# Altium PCB Thermostat_Thorlabs.PCBDOC (part 2 of 2) (continued)
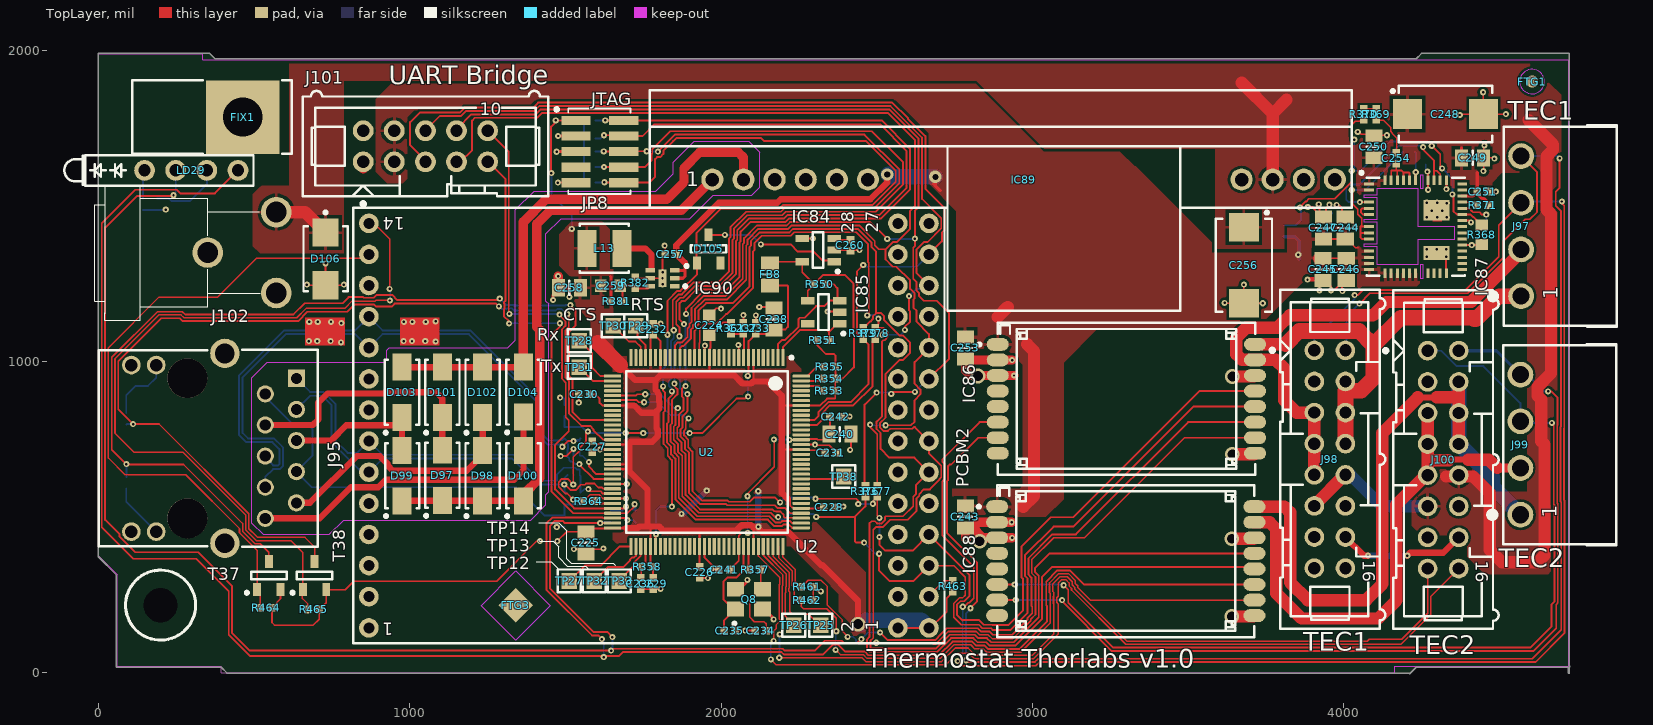
[diagram p0: TopLayer view]
## Nets (pads, with @x,y where several pads share a name; then routed paths per layer and width w, separated by ;. In a path a pad name is that pad's centre, name@x,y a point inside that pad or via, vN(x,y) a via of type N, cw(c..) or ccw(c..) an arc to the next point about the centre after c; other vN are vias at no path point) (continued)
  TopLayer w39.37: J102.3@570.87,1479.92 663.38,1479.92 D106.1@729.13,1414.17 ; 3673,1896 3772.68,1796.32 ; IC89.8@3772.68,1584.65 3772.68,1796.32 ; 3817.36,1841 3772.68,1796.32 ; J98.11@3906.7,538.06 J98.10@4006.7,638.06 ; 4329.49,630.33 4417.41,630.33 4470,577.74 4470,395 4510,355 4624,355 4646.31,377.31 4646.31,732.81 4635.47,743.65 4635.47,877.7 4623.47,889.7 4623.47,918.3 4667.31,962.14 4667.31,1473.64 4652.47,1488.49 4652.47,1658.86 4673.69,1680.07 4673.69,1697.31 4594.94,1776.06
  BottomLayer w39.37: J98.10@4006.51,635.78 4022.22,635.78 4123.4,534.6 J100.11@4270.69,534.6
PHY_RD_N: D67.3 J95.3 PCBM2.J2-10 R349.2 U2.53 | length 2086.4
  TopLayer w6: v1(1490,726) 1508,744 v1(1526,744) ; v1(1575.17,677) 1575.17,662.83 1599.79,638.21 U2.53@1651.53,638.21
  BottomLayer w6: J95.3@535.43,595.87 535.43,628.99 560.6,654.16 582.14,654.16 592.71,664.73 592.71,723.47 589.19,726.99 563.22,752.97 480.01,752.97 462.83,770.14 462.83,949.06 601.87,1088.09 824.19,1088.09 PCBM2.J2-10@868.19,1044.09 912.19,1088.09 1189.88,1088.09 1407.48,870.49 1407.48,768.26 1442.19,733.55 1486.04,733.55 1490,729.59 v1(1490,726) ; v1(1526,744) 1539.29,744 R349.2@1545.9,750.61 ; R349.2@1548.25,752.97 R349.2@1545.9,750.61 ; v1(1575.17,677) 1554.91,697.26 D67.3@1545.9,697.26 R349.2@1545.9,750.61
PHY_RD_P: D67.1 J95.5 PCBM2.J2-11 R348.2 U2.54 | length 2044.9
  TopLayer w6: v1(1544.68,670.26) 1544.68,668.32 1590.54,622.46 U2.54@1651.53,622.46
  BottomLayer w6: J95.5@535.43,695.87 535.43,691.32 560.6,666.16 577.17,666.16 580.71,669.7 580.71,718.5 558.24,740.97 475.03,740.97 450.83,765.17 450.83,954.03 596.89,1100.09 824.19,1100.09 PCBM2.J2-11@868.19,1144.09 912.19,1100.09 1194.85,1100.09 1419.48,875.46 1419.48,773.23 1446.85,745.87 1480.22,745.87 1482.2,747.84 1491.56,747.84 R348.2@1496.69,752.97 1506.53,743.13 1506.53,738.29 1507.43,737.39 1507.43,733.8 1507.84,733.39 1507.84,718.61 1506.53,717.3 D67.1@1506.53,697.26 1506.53,694.53 1512.31,688.75 1512.31,682.73 1517,678.04 1523.02,678.04 1531.77,669.29 1532.74,670.26 v1(1544.68,670.26)
PHY_TD_N: D67.6 J95.8 PCBM2.J2-6 R346.1 U2.56 | length 1352.1
  TopLayer w6: v1(1496.28,604.6) 1499.99,604.6 1517.84,586.75 1532.62,586.75 1549.79,603.92 1562.69,603.92 1566.61,607.84 1593.27,607.84 1606.31,594.8 1617.93,594.8 1621.77,590.96 U2.56@1651.53,590.96
  BottomLayer w6: J95.8@635.43,845.87 679.43,889.87 718.12,889.87 748.82,859.17 748.82,740.66 845.39,644.09 PCBM2.J2-6@868.19,644.09 912.19,688.09 1328.73,688.09 1412.23,604.6 v1(1496.28,604.6) v1@1496.69,605 ; R346.1@1496.69,577.97 1502.97,577.97 1496.69,584.25 v1@1496.69,605 ; D67.6@1506.53,635.06 1496.69,625.21 v1@1496.69,605
PHY_TD_P: D67.4 J95.10 PCBM2.J2-7 R347.1 U2.57 | length 1370.1
  TopLayer w6: v1(1574,590) 1574,585.46 1576.66,582.8 1612.96,582.8 1620.54,575.21 U2.57@1651.53,575.21
  BottomLayer w6: J95.10@635.43,945.87 679.43,901.87 723.09,901.87 760.82,864.14 760.82,745.63 800,706.45 830.55,706.45 PCBM2.J2-7@868.19,744.09 912.19,700.09 1333.7,700.09 1417.2,616.6 1472.44,616.6 1472.44,635.44 1495.29,658.29 1531.42,658.29 1537.29,652.42 1544.93,652.42 1545.9,651.45 D67.4@1545.9,635.06 1548.25,632.7 R347.1@1548.25,577.97 1560.28,590 v1(1574,590)
POE_IN1: D97.2 D101.1 J95.7 | length 819.6
  TopLayer w20: J95.7@535.43,795.87 688.6,795.87 706,813.27 706,868 735,897 917.51,897 921.58,901.07 1084.83,901.07 1104.52,881.38 D97.2@1104.52,714.71
POE_IN2: D98.2 D102.1 J95.2 | length 824.1
  TopLayer w20: J95.2@635.43,545.87 678.87,545.87 828.87,695.87 903.13,695.87 930.08,668.92 930.08,664.19 945.28,649 1182.72,649 1234,700.28 D98.2@1234,713.71 D102.1@1234,820.29
POE_IN3: D99.2 D103.1 J95.6 | length 477.1
  TopLayer w20: J95.6@635.43,745.87 746.72,745.87 795.85,795 949.24,795 D103.1@974.6,820.36 974.6,714.71 D99.2@975.6,713.71
POE_IN4: D100.2 D104.1 J95.1 | length 1064.6
  TopLayer w20: J95.1@535.43,495.87 710.87,495.87 810.87,595.87 898.87,595.87 923,620 1335,620 1365,650 D104.1@1365,821.16
RST: D105.1 JP8.10 R365.2 U2.70 | length 2971
  TopLayer w6: v1(1625,1576) 1626.43,1574.57 JP8.10@1687.42,1574.57 1769.57,1574.57 1788.34,1593.34 1788.34,1650.35 1794.71,1656.72 1804.39,1656.72 1814.84,1667.18 1814.84,1676.85 1846.05,1708.06 1846.63,1708.06 1856.6,1718.03 2128.77,1718.03 2138.73,1708.06 2466.39,1708.06 2561.69,1612.76 2561.69,1577.35 2487.55,1503.21 2199.4,1503.21 2188.19,1492 2000.28,1492 1921.6,1413.32 D105.1@1921.6,1316.72 ; U2.70@1789.32,405.92 1789.32,443.32 v1(1791,445) ; v1(1814,920) 1814,906 1820.48,899.52 1820.48,842.25 1815.16,836.93 1815.16,735.27 1828.69,721.73 1828.69,696.89 1842.27,683.32 v1(1842.27,533.39) ; v1(1828,1085.72) 1828,1195.03 1859.77,1226.8 1869.49,1226.8 1922.93,1280.24 D105.1@1922.93,1316.72
  BottomLayer w6: R365.2@1596.28,1574.57 1623.57,1574.57 v1(1625,1576) ; v1(1791,445) 1791,520.69 1803.71,533.39 v1(1842.27,533.39) ; v1(1814,920) 1814,976.39 1828,990.39 v1(1828,1085.72)
RTS: TP29.1 U2.29 | length 116
  TopLayer w6: TP29.1@1726,1115 1731.79,1109.21 1731.79,1077.79 1757.83,1051.75 U2.29@1757.83,1012.22
RXD: TP28.1 U2.33 | length 180.7
  TopLayer w6: TP28.1@1545,1066.95 1586,1025.95 1586,979.83 1612.66,953.17 U2.33@1651.53,953.17
SCL: J100.16 U2.91 | length 3079.2
  TopLayer w5: U2.91@2120.03,405.92 2120.03,374.97 2188.16,306.84 2188.16,283.31 2187,282.14 2187,172.72 2188.16,171.55 2188.16,164.08 2177,152.91 2177,141 2169,133 v1(2169,102) ; v1(2160.01,42.5) 2176.86,25.66 2722.66,25.66 2760,63 2796,63 2813.66,45.34 3004.63,45.34 3083.66,124.37 3083.66,221.03 3078.48,226.21 3078.48,240.57 3083.66,245.75 3083.66,288.18 3093.82,298.34 3108.18,298.34 3118.34,288.18 3118.34,278.51 3126.16,270.68 3126.16,265.55 3300.72,91 4185.14,91 4280.69,186.55 4280.69,244.6 J100.16@4370.69,334.6
  BottomLayer w5: v1(2160.01,42.5) 2160.01,93.01 v1(2169,102)
SCL1: IC85.1 R351.1 U2.1 | length 279.1
  TopLayer w6: U2.1@2198.77,1012.22 2198.77,1046.27 2253.56,1101.06 2303.66,1101.06 2303.79,1101.18 2339.82,1101.18 2347.38,1093.62 ; R351.1@2347.38,1069 2347.38,1093.62 ; IC85.1@2381.06,1120.87 2372.87,1120.87 2347.38,1095.38 2347.38,1093.62
SDA: J100.15 U2.92 | length 2988.4
  TopLayer w5: U2.92@2135.78,405.92 2135.78,377.22 2199,314 2199,280 2197,278 2197,176.86 2199,174.86 2199,137 2188,126 v1(2188,123) ; v1@2187,46 v1(2187,48) 2452.66,48 2465.01,35.66 2708.8,35.66 2752.48,79.34 2793.8,79.34 2817.8,55.34 3000.48,55.34 3068.5,123.36 3068.5,222.05 ; 3068.48,222.07 3068.48,244.72 ; 3068.5,244.74 3068.5,258.88 3065.57,261.81 3065.57,284.24 3089.67,308.34 3112.33,308.34 3128.34,292.33 3128.34,282.65 3136.16,274.83 3136.16,269.69 3304.86,101 4076.36,101 4082.86,107.5 4187.5,107.5 4270.69,190.69 J100.15@4270.69,334.6
  BottomLayer w5: v1(2187,48) 2188,49 v1(2188,123)
SDA1: IC85.3 R350.1 U2.2 | length 399.7
  TopLayer w6: U2.2@2183.03,1012.22 2183.03,1056.03 2196.07,1069.07 2206.02,1069.07 2249.04,1112.09 2249.04,1135.99 2253.73,1140.68 2268.48,1140.68 2305.76,1177.95 2331.61,1177.95 2349.33,1195.67 IC85.3@2381.06,1195.67 2374,1202.73 2374,1235.61 2361.61,1248 R350.1@2335.99,1248
SENS0_1: IC86.6 J97.3 J98.1 | length 5416.7
  TopLayer w6: v1@2763.16,33.84 2774.84,22.16 3011.85,22.16 3023.53,33.84 4617.27,33.84 4711,127.58 4711,552.24 4709,554.24 4709,785.42 4709.84,786.26 4709.84,1501.16 4702,1509 v1(4702,1514) ; v1@2780,210.62 2794.22,224.84 2797.84,224.84 2812,239 2812,341 2711,442 2711,613.44 2713,615.44 2713,617.49 2718.69,623.18 2718.69,669.45 2711,677.14 2711,685 2831,805 IC86.6@2889.29,805 ; v1(4036.09,1213.14) 4046.14,1213.14 4063.1,1230.1 4393.1,1230.1 4499,1336 4499,1438 J97.3@4571,1510
  BottomLayer w5: v1@2759,38 2776.93,55.93 v1(2776.93,211.84)
  BottomLayer w6: v1(2760,37) v1@2760,38 ; J98.1@3906.51,1035.78 3906.51,1072.59 4036.09,1202.16 v1(4036.09,1213.14) ; J97.3@4571,1510 4575,1514 v1(4702,1514)
SENS0_2: IC86.7 J97.4 J98.2 | length 5615.8
  TopLayer w6: v1(2787,40) 2785,40 2790.16,34.84 3008.98,34.84 3018.98,44.84 4607.05,44.84 4700,137.79 4700,547.69 4698,549.69 4698,789.98 4698.84,790.82 4698.84,1484.1 4682.16,1500.78 4682.16,1546.16 4695,1559 v1(4695,1652.56) ; v1(2801.61,207) v1@2801.61,210 ; v1@2804,210 2823,229 2823,353 2726,450 2726,614.93 2729.69,618.62 2729.69,663.85 2734.79,668.95 2740.02,668.95 2826.07,755 IC86.7@2889.29,755 ; v1(4051.55,1186) 4051.89,1186 4084.99,1219.1 4399.07,1219.1 4514,1334.03 4514,1386 4585,1457 4599,1457 4622.34,1480.34 4622.34,1608.66 J97.4@4571,1660
  BottomLayer w6: v1(2787,40) 2787.43,40.43 2787.43,190.43 v1@2801,204 ; v1@2801.61,204 v1(2801.61,207) ; J98.2@4006.7,1006.45 4010,1009.75 4010,1144.45 v1(4051.55,1186) ; J97.4@4571,1660 4687.55,1660 v1(4695,1652.56)
SENS1_1: IC88.6 J99.3 J100.1 | length 3108.6
  TopLayer w6: IC88.6@2887.38,283.39 v1(2944,283.39) ; v1(3101,281) 3115.66,266.34 3115.66,224.76 3259.93,80.5 4600.28,80.5 4668.82,149.03 4668.82,219.43 4678,228.61 4678,538.57 4676,540.57 4676,796.77 v1(4670,802.77)
  BottomLayer w6: v1(2944,283.39) 3098.61,283.39 v1(3101,281) ; J100.1@4270.69,1034.6 4314.83,1034.6 4364.08,985.35 4449.65,985.35 4569,866 J99.3@4569,807.7 4573.93,802.77 v1(4670,802.77)
SENS1_2: IC88.7 J99.4 J100.2 | length 3031
  TopLayer w6: IC88.7@2887.38,233.39 v1(2947,233.39) ; v1(3095.82,233.39) 3095.82,229.05 3255.37,69.5 4610.5,69.5 4683.82,142.82 4683.82,218.87 4689,224.05 4689,543.13 4687,545.13 4687,794.53 4687.84,795.38 4687.84,884.63 4668.47,904 v1(4658,904)
  BottomLayer w6: v1(2947,233.39) v1(3095.82,233.39) ; J99.4@4569,957.7 4580.25,968.95 4645.2,904 v1(4658,904)
  BottomLayer w10: J100.2@4370.69,1034.6 4492.09,1034.6 J99.4@4569,957.7
STAT1: IC86.11 LD29.2 R374.1 U2.63 | length 6482.5
  TopLayer w6: v1(240.56,1534) 238.09,1531.54 122.54,1531.54 21,1430 21,491 67.2,444.8 67.2,437.44 117.64,387 320,387 429,278 429,127 485,71 v1(1647,71) 1652.84,76.84 2198.95,76.84 2204.79,71 2301.77,71 2333.27,102.5 2387.5,102.5 2394,96 ; v1(1651,114.43) 1634.43,131 1590,131 1450,271 1450,471.23 1466.32,487.56 1491.16,487.56 1497.99,480.72 1534.33,480.72 1534.71,481.1 1611.62,481.1 v1(1612,480.72) U2.63@1651.53,480.72 ; 2394.39,96.39 2395.29,95.5 2438.5,95.5 v1(2451,108) ; v1(2511,129) 2535.4,104.6 2687.75,104.6 2707.69,124.53 2707.69,124.69 ; 2706,123 2707.69,124.69 ; IC86.11@3716.07,805 3501,805 3140.38,444.38 3065.05,444.38 2987.5,366.82 2987.5,315.65 2997.5,305.65 2997.5,214.98 3000,212.48 3000,190.92 2984.96,175.89 2984.96,171.54 2935.27,121.84 2873.35,121.84 2863.35,131.84 2835.49,131.84 2824.49,142.84 2725.84,142.84 2707.69,124.69
  BottomLayer w6: v1(240.56,1534) 247.64,1541.08 LD29.2@247.64,1614.17 ; v1(1612,480.72) 1615.85,484.58 R374.1@1646,484.58 ; v1(1647,71) 1651,75 v1(1651,114.43) ; v1(2451,108) 2472,129 v1(2511,129)
STAT2: IC88.11 LD29.4 R375.1 U2.62 | length 6544.1
  TopLayer w6: LD29.4@447.64,1614.17 373.46,1540 262.11,1540 250.27,1551.84 117.84,1551.84 10,1444 10,467 111,366 313,366 418,261 418,122.44 487.44,53 1672.01,53 1684.85,65.84 2194.39,65.84 2201.73,58.5 2328.27,58.5 2360.61,90.84 2375.39,90.84 2397.73,68.5 2461.15,68.5 2473.5,56.16 2700.31,56.16 2743.99,99.84 2806.67,99.84 2819.67,86.84 2847.54,86.84 2858.54,75.84 2958.84,75.84 3048,165 3048,213.55 3045.07,216.48 3045.07,292.73 3081.18,328.84 3120.82,328.84 3148.84,300.82 3148.84,300.16 3165.61,283.39 IC88.11@3714.15,283.39 ; v1(1617,107.87) 1618.87,106 1619.84,106 1605.84,120 1585.44,120 1439,266.44 1439,479.56 1458.01,498.57 1619.39,498.57 1621.86,496.1 1651.16,496.1 U2.62@1651.53,496.47 1692.53,496.47 v1(1699,490)
  BottomLayer w6: v1(1617,107.87) 1623,101.87 v1(1623,50) ; v1(1699,490) 1717.5,490 R375.1@1725,482.5
STAT3: J101.10 R374.2 U2.60 | length 1689.8
  TopLayer w6: J101.10@1250.12,1741.54 1317.84,1673.82 1317.84,1155.16 v1(1320,1153) ; v1(1481,1150.84) 1481,1149.23 1499.84,1130.39 1499.84,1114.21 1489,1103.37 1489,944.28 1501.06,932.23 1501.06,820.83 1510.84,811.04 1510.84,776.49 1466.83,732.48 1466.83,588.94 1527.8,527.97 U2.60@1651.53,527.97 1689.81,527.97 v1(1694.84,533)
  BottomLayer w6: v1(1320,1153) 1478.84,1153 v1(1481,1150.84) ; R374.2@1646,521.59 1683.42,521.59 v1(1694.84,533)
STAT4: J101.9 R375.2 U2.61 | length 1603.2
  TopLayer w6: J101.9@1250.12,1641.54 1251.97,1641.54 1306.84,1586.67 1306.84,1194.61 1302.16,1189.92 1302.16,1187.08 1303.84,1185.39 1303.84,1169.61 1302.16,1167.92 1302.16,1145.61 1319,1128.77 v1(1319,1122) ; v1(1482,1123) 1482,1111.93 1455.83,1085.76 1455.83,581.62 1525.23,512.22 U2.61@1651.53,512.22 1699.29,512.22 1722.32,535.25 v1(1722.32,541)
  BottomLayer w6: v1(1319,1122) 1320,1123 v1(1482,1123) ; v1(1722.32,541) 1725,538.32 R375.2@1725,519.5
SW0: R355.2 U2.128 | length 85
  TopLayer w6: U2.128@2257.83,953.17 2277.34,953.17 2307.17,983 R355.2@2330.5,983
SW1: R354.2 U2.127 | length 75.3
  TopLayer w6: U2.127@2257.83,937.42 2322,937.42 R354.2@2329.88,945.29
SW2: R353.2 U2.126 | length 78.6
  TopLayer w6: U2.126@2257.83,921.67 2314.13,921.67 R353.2@2329.88,905.92
TCK: JP8.4 R360.2 U2.100 | length 3184.5
  TopLayer w6: v1(1624,1727) 1684.99,1727 JP8.4@1687.42,1724.57 1748.57,1724.57 1786,1762 2511,1762 2595.84,1677.16 2595.84,1556.94 2509.11,1470.21 2213.07,1470.21 2201.86,1459 2089.45,1459 2052.16,1421.72 2052.16,1390.5 2048,1386.34 2048,1280.22 1999.62,1231.84 1921.2,1231.84 1883.16,1193.8 1873.44,1193.8 1867,1187.36 1867,1134 v1(1881,1120) ; v1(1892,895.29) 1892,840.6 1889.84,838.44 1889.84,836.84 1875.84,822.84 1875.84,787.63 1870.16,781.95 1870.16,758.05 1883.69,744.52 1883.69,719.67 1897.27,706.1 1897.27,576.73 1931.68,542.32 2015.44,542.32 2019.77,538 2172.77,538 2182.08,528.69 2205.79,528.69 2222.26,512.22 U2.100@2257.83,512.22
  BottomLayer w6: R360.2@1596.28,1716.69 1613.69,1716.69 v1(1624,1727) ; v1(1881,1120) 1885.84,1115.16 1885.84,1075 1868.16,1057.31 1868.16,913.61 1886.47,895.29 v1(1892,895.29)
TDI: JP8.8 R363.2 U2.98 | length 3230.9
  TopLayer w6: v1(1624,1625) 1686.99,1625 JP8.8@1687.42,1624.57 1755.57,1624.57 1777,1646 1777,1666.32 1778.84,1668.16 1778.84,1681.64 1837.23,1740.03 2484.53,1740.03 2584.84,1639.71 2584.84,1569.4 2496.66,1481.21 2208.51,1481.21 2197.3,1470 2084.89,1470 2041.16,1426.27 2041.16,1395.05 2037,1390.89 2037,1284.77 1995.07,1242.84 1916.64,1242.84 1878.6,1204.8 1868.89,1204.8 1856,1191.92 1856,1119.77 1866,1109.77 v1(1866,1081) ; v1(1850,929) 1850,921.23 1859.84,911.39 1859.84,894.11 1842.48,876.75 1842.48,800.94 1837.16,795.62 1837.16,744.38 1850.69,730.85 1850.69,706 1864.27,692.43 1864.27,561.93 1923.36,502.84 2155.46,502.84 2176.3,482 2191.08,482 2196.08,487 2222.01,487 2228.29,480.72 U2.98@2257.83,480.72
  BottomLayer w6: R363.2@1596.28,1624.57 1623.57,1624.57 v1(1624,1625) ; v1(1850,929) 1850,1061 1866,1077 v1(1866,1081)
TDO: JP8.6 R362.2 U2.97 | length 3173.3
  TopLayer w6: v1(1623,1675) 1623.43,1674.57 JP8.6@1687.42,1674.57 1688.41,1675.55 v1(1761,1675.55) ; v1(1797,1674.57) 1851.46,1729.03 2460.97,1729.03 2572.69,1617.31 2572.69,1572.8 2492.1,1492.21 2203.96,1492.21 2192.75,1481 2080.33,1481 2030.16,1430.83 2030.16,1399.61 2026,1395.45 2026,1289.33 1990.51,1253.84 1912.08,1253.84 1874.05,1215.8 1864.33,1215.8 1845,1196.47 1845,1103.63 v1(1848.16,1100.48) ; v1(1842,904) 1843.84,902.16 1843.84,893.67 1831.48,881.3 1831.48,805.49 1826.16,800.17 1826.16,739.83 1839.69,726.29 1839.69,701.45 1853.27,687.87 1853.27,557.38 1918.8,491.84 2150.9,491.84 2171.74,471 2195.64,471 2200.64,476 2217.46,476 2228.48,464.98 U2.97@2257.83,464.98
  BottomLayer w6: R362.2@1596.28,1674.57 1596.71,1675 v1(1623,1675) ; v1(1761,1675.55) 1761.98,1674.57 v1(1797,1674.57) ; v1(1842,904) 1843.16,905.16 1843.16,910.61 1832.16,921.61 1832.16,936.39 1839,943.23 1839,1065.56 1848.16,1074.71 v1(1848.16,1100.48)
TEC0+: IC86.16 J97.1 J98.4 J98.6 J98.8 | length 1337.3
  TopLayer w40: IC86.16@3716.07,1055 3814.67,1055
  TopLayer w50: 3814.67,1055 3857.56,1097.89 4050.11,1097.89 4096,1052 ; J98.8@4006.7,743.65 4006.7,906.45 4057.45,906.45 4096,945 4096,1052 ; J97.1@4571,1210 4500.28,1210 4425.28,1135 4420.9,1135 4414.8,1141.1 4185.1,1141.1 4096,1052
TEC0-: IC86.15 J97.2 J98.5 J98.7 J98.9 | length 1678.6
  TopLayer w40: J98.9@3906.51,635.78 J98.7@3906.51,735.78 J98.5@3906.51,835.78 3849.22,835.78 3810,875 3810,977 3782,1005 IC86.15@3716.07,1005 3674.22,1005 3655.63,1023.59 3655.63,1075.63 3688.5,1108.5 3788.69,1108.5 3828.08,1147.89 4094.9,1147.89 4138.11,1191.1 4410.67,1191.1 4571,1351.43 J97.2@4571,1360
TEC1+: IC88.16 J99.1 J100.4 J100.6 J100.8 | length 2234.3
  TopLayer w20: 4239.42,884.6 4300.59,884.6
  TopLayer w40: IC88.16@3714.15,533.39 3810.5,533.39 3829,514.89 3829,290 3886,233 4072.98,233 4125,285.02 4125,770.18 4239.42,884.6 ; 4300.59,884.6 4370.69,884.6 ; J100.6@4370.69,834.6 4370.69,884.6 ; 4370.69,897.04 J100.4@4370.69,934.6 ; J100.8@4370.87,734.6 4370.87,884.6 ; J100.4@4370.87,905.27 4370.87,884.6 ; 4370.69,884.6 4370.87,884.6
  BottomLayer w50: J100.4@4370.69,934.6 J100.6@4370.69,834.6 J100.8@4370.69,734.6 4480.56,624.73 4480.56,596.14 J99.1@4569,507.7
TEC1-: IC88.15 J99.2 J100.5 J100.7 J100.9 | length 1680.8
  TopLayer w20: 4340.79,684.6 4400.59,684.6
  TopLayer w30: J100.9@4270.87,640.69 J100.9@4270.87,647.53 ; 4493.87,657.7 J99.2@4569,657.7
  TopLayer w40: IC88.15@3714.15,483.39 3763.11,483.39 3784,462.5 3784,255.83 3865.83,174 4112,174 4170,232 4170,539.82 J100.9@4270.87,640.69 ; J100.5@4270.69,834.6 4270.87,834.42 4270.87,682.58 ; J100.9@4270.87,647.53 4270.87,682.58 ; 4338.77,682.58 4270.87,682.58 ; 4400.59,684.6 4466.96,684.6 4493.87,657.7
TMS: JP8.2 R359.2 U2.99 | length 3183.3
  TopLayer w6: v1(1627.78,1774.57) JP8.2@1687.42,1774.57 2516.43,1774.57 2606.84,1684.16 2606.84,1552.38 2513.67,1459.21 2217.63,1459.21 2206.42,1448 2094,1448 2063.16,1417.16 2063.16,1385.94 2059,1381.78 2059,1271 2008.84,1220.84 1938.59,1220.84 1887.72,1169.97 v1(1887.72,1153) ; v1(1886,921) 1883.48,921 1874.16,911.68 1874.16,887.9 1878.84,883.22 1878.84,842.61 1864.84,828.61 1864.84,792.19 1859.16,786.5 1859.16,753.5 1872.69,739.96 1872.69,715.12 1886.27,701.54 1886.27,571.05 1932.47,524.84 2164.57,524.84 2170.57,518.84 2176.37,518.84 2177.53,517.69 2191.08,517.69 2201.53,507.23 2201.53,501 2204.53,498 2256.3,498 U2.99@2257.83,496.47
  BottomLayer w6: R359.2@1596.28,1774.57 v1(1627.78,1774.57) ; v1(1886,921) 1885.84,921.16 1885.84,1059.44 1898.84,1072.44 1898.84,1141.87 v1(1887.72,1153)
TXD: TP31.1 U2.34 | length 125.9
  TopLayer w6: TP31.1@1544,981.71 1588.29,937.42 U2.34@1651.53,937.42
VC+: D97.1 D98.1 D99.1 D100.1 IC89.1 | length 1928.2
  TopLayer w20: D99.1@975.6,552.29 D98.1@1234,552.29 1364.69,552.29 D100.1@1365,551.98
  TopLayer w30: D100.1@1365,551.98 1365,572.59 1417.32,624.91 1417.32,1101.83 1408.16,1111 1408.16,1442.16 1450.92,1484.92 1872.48,1484.92 IC89.1@1972.2,1584.65
VC-: D101.2 D102.2 D103.2 D104.2 IC89.2 | length 1760.5
  TopLayer w20: D103.2@974.6,981.78 D101.2@1104.52,981.78 1364.2,981.78 D104.2@1365,982.58
  TopLayer w30: D104.2@1365,982.58 1365,1448.49 1437.72,1521.21 1826.08,1521.21 1880.86,1575.99 1880.86,1621.2 1931.66,1672 2055.59,1672 2072.2,1655.39 IC89.2@2072.2,1584.65
pads on no net: D105.2 FIX1.1 FTG1.FTG2 FTG2.1 FTG3.1 FTG4.1 IC85.5 IC86.4 IC86.5 IC86.8 IC87.23 IC87.24 IC87.25 IC87.27 IC87.28 IC87.29 IC87.30 IC87.32 IC87.33 IC87.34 IC87.40 IC87.41 IC88.4 IC88.5 IC88.8 IC89.3 IC89.4 IC89.5 IC89.6 IC89.9 IC90.1 J95.MH1 J95.MH2 J98.15 J98.16 J102.2 JP8.7 PCBM2.J1-6 PCBM2.J1-8 PCBM2.J1-9 PCBM2.J1-12 PCBM2.J1-14 PCBM2.J1-15 PCBM2.J1-18 PCBM2.J1-20 PCBM2.J1-21 PCBM2.J1-24 PCBM2.J1-26 PCBM2.J1-27 PCBM2.J2-1 PCBM2.J2-2 PCBM2.J2-3 PCBM2.J2-4 PCBM2.J2-5 PCBM2.J2-8 U2.3 U2.4 U2.5 U2.6 U2.11 U2.12 U2.13 U2.14 U2.15 U2.20 U2.21 U2.24 U2.25 U2.27 U2.31 U2.32 U2.35 U2.36 U2.40 U2.41 U2.43 U2.44 U2.45 U2.49 U2.50 U2.71 U2.72 U2.73 U2.74 U2.75 U2.76 U2.77 U2.78 U2.81 U2.82 U2.83 U2.84 U2.85 U2.86 U2.102 U2.103 U2.104 U2.105 U2.106 U2.108 U2.109 U2.110 U2.111 U2.112 U2.116 U2.117 U2.120 U2.121 U2.123 U2.124 U2.125

## Polygon pours and split planes (outlines as drawn)
P5V0 on TopLayer "BottomLayer-No Net" (solid, remove dead copper, pour order 20): 2667.34,1572 2667.34,1570.61 2668.39,1570.61 2755.91,1483.09 2755.91,1068.51 2784.1,1040.32 2918.9,1040.32 2970,989.22 2970,600.04 2960.51,590.55 2743.16,590.55 2743.16,500.73 3043.83,500.73 3101,557.9 3101,995.84 3209.57,1104.41 3719.06,1104.41 3886.73,1272.09 4028.09,1272.09 4029,1273 4035,1267 4035,1249 4053,1231 4226,1231 4246,1251 4246,1302.43 4232.27,1316.16 4120.84,1316.16 4114,1323 4114,1359 4107,1366 4055,1366 4046,1375 4046,1408 4019.94,1434.06 3819,1429.72 3819,1350 3576.44,1350 3576.76,1383.24 3333.04,1626.96 3329.04,1626.96 3282,1674 3037,1674 2818,1893 941,1893 891,1843 891,1610 928,1573 977,1573 991,1587 991,1785 1014,1808 1370,1808 1401,1839 2562,1839 2667,1734 2667,1572
P12V0 on TopLayer "Signal Layer 1-No Net 1" (solid, remove dead copper, pour order 8): 494.77,1371.04 518.77,1347.04 788,1347.04 788,1902 2820.42,1902 3039.38,1683.04 3588,1683.04 3588,1542.04 3588,1361 3809.91,1361.91 3810.36,1441.64 3889.64,1441.64 3889.86,1521.14 3923.77,1555.04 3923.77,1608.04 3944.77,1629.04 4015.37,1629.04 4040.68,1603.73 4040.68,1546.14 4053.77,1533.04 4104.63,1533.04 4121.63,1550.04 4138.77,1550.04 4144.77,1556.04 4144.77,1624 4154.67,1633.9 4229.11,1633.9 4246.82,1651.62 4246.82,1683.04 4281.77,1683.04 4331.77,1633.04 4331.77,1572.83 4334.83,1572.83 4351.43,1556.22 4477.77,1556.23 4477.77,1575.04 4508.77,1606.04 4588.77,1606.04 4588.77,1608.04 4590.77,1606.04 4590.77,581.04 4487.77,581.04 4399.48,669.34 4320.69,669.33 4219.77,568.42 4219.77,472.04 4249.77,442.04 4364.77,442.04 4368.77,446.04 4388.77,426.04 4397.77,426.04 4397.77,373.04 4453.77,317.04 4657.77,317.04 4699.77,359.04 4699.77,1857.04 4600.77,1956.04 613.04,1956.04 613,1565.04 524.77,1565.04 518.77,1561.84 494.77,1537.84
P3V3 on TopLayer "Signal Layer 1-No Net 1" (solid, remove dead copper, pour order 4): 1645,1016 2219,1016 2257.83,977.17 2257.83,530.17 2472.2,315.8 2472.2,130.2 2460,118 2405,118 2379,144 2379,251.29 2224.36,405.92 1672.08,405.92 1651.53,426.47 1651.53,1005.34 1649,1007.87
P3V3 on TopLayer "Signal Layer 1-No Net 1" (solid, remove dead copper, pour order 12): 1653.54,1039.99 1653.54,1413.42 1618.47,1448.49 1519.49,1448.49 1479.61,1408.61 1479.61,1308.17 1515.75,1272.03 1515.75,1194.38 1581.81,1128.32 1581.81,1043.31
GND on BottomLayer "Signal Layer 1-No Net 1" (solid, remove dead copper, pour order 14): 0,1988.19 4724.41,1988.19 4724.41,0 19.68,0 0,19.69

## Keep-outs
TopLayer:
  lines w3.94: 1437.01,1193.84 1437.01,1410.01 1486.21,1459.21 1899.85,1459.21 1974.64,1534 2098.16,1534 2124.71,1560.56 2124.71,1673.01 2089.67,1708.06 1913.94,1708.06 1846.05,1640.16 1846.05,1602.69 1790.69,1547.33 1399.04,1547.33 1338.58,1486.88 1338.58,1067.73 1314.94,1044.09 934.36,1044.09 926.4,1036.13 926.4,1005.35 918.86,997.81 541.81,997.81 492.13,948.12 492.13,480.76 528.79,444.09 741.73,444.09 787.63,490 1388.16,490 1437.01,538.85 1437.01,572.26 1445.86,581.11 1445.86,635.25 1445.86,1184.99 ; 1437.01,1193.84 1445.86,1184.99 ; 1437.01,1193.84 1445.86,1184.99
KeepOutLayer:
  lines w3.94: 4724.41,20.1 4165.01,20.1 4165.01,0 393.7,0 393.7,20.1 59.06,20.1 59.06,314.96 0,374.02 0,1988.19 334.65,1988.19 334.65,1970 4724.41,1970 4724.41,20.1 ; 4724.41,20.1 4724.41,20.1

## Other copper
TopLayer:
  rectangle net GND: 4287,1449.51 4317,1457.68
  rectangle net NetC255_2: 4227.29,1590.5 4237,1600.8
  rectangle net GND: 3886.73,1257 3907,1272.09
  rectangle net GND: 967.73,1051.75 1095.46,1141.11
  rectangle net GND: 663.38,1051.75 791.12,1141.11
BottomLayer:
  rectangle net STAT4: 1714.17,521.67 1722.32,541
  rectangle net PHY_RD_N: 1526,744 1545.9,750.61

## Silkscreen, mask and mechanical layers (free items; w line width, h text height)
TopOverlay:
  circle w10: c199.06,217 r112.5
  lines w3.94: 1407,356 1453.78,356 1477.81,331.97 ; 1412,429 1418,423 1460.16,423 1477.81,405.34 1477.81,370.59 1505.96,342.44 1565.23,342.44 1571.38,336.3 ; 1413.9,481 1478.92,481 1503.88,456.04 1503.88,366.8 1519.45,351.23 1654.19,351.23 1659.96,345.45
  lines w10: 1477.08,1812.4 ccw(c1471.81,1810) 1477.6,1810
  text "UART Bridge" at 932,1891 h60
  text "JTAG" at 1583,1824 h40
  text "TEC1" at 4528,1776 h60
  text "RTS" at 1709.6,1163 h40
  text "CTS" at 1493,1131 h40
  text "Rx" at 1410,1067 h40
  text "Tx" at 1422,966 h40
  text "TP14" at 1248,444 h40
  text "TP13" at 1249,389 h40
  text "TEC2" at 4498.69,338 h60
  text "TP12" at 1248,332 h40
  text "TEC1" at 3870.27,70 h60
  text "TEC2" at 4212.6,59.06 h60
  text "Thermostat Thorlabs v1.0" at 2468,15 h60
BottomOverlay:
  drawing of 541 lines, arcs and shapes, not listed
  text "WUT ISE 2018" at 4381.4,56.35 h40
Mechanical1:
  lines w3.94: 59.06,20.1 59.06,314.96 0,374.02 0,1988.19 355.83,1988.19 374.02,1970 ; 393.7,20.1 413.8,0 4212.6,0 ; 4233.78,1970 4251.97,1988.19 4724.41,1988.19 ; 4724.41,0 4724.41,1988.19 ; 4724.41,1988.19 4724.41,1988.19
  lines w6: 59.06,20.1 393.7,20.1 ; 374.02,1970 4233.78,1970 ; 4212.6,0 4232.7,20.1 4468.09,20.1 4724.41,20.1

## Text inside footprints (layer, text, board x,y; h text height)
IC89: TopOverlay "1" at 1888.98,1562.99 h47.24; Mechanical14 "1" at 1888.98,1562.99 h47.24
J97: TopOverlay "1" at 4688.13,1199.36 h47.24 r90; Mechanical14 "1" at 4688.13,1199.36 h47.24 r90
J98: TopOverlay "16" at 4061.51,360.78 h40 r270; Mechanical14 "16" at 4061.51,360.78 h40 r270
J99: TopOverlay "1" at 4686.13,497.06 h47.24 r90; Mechanical14 "1" at 4686.13,497.06 h47.24 r90
J100: TopOverlay "16" at 4425.69,359.6 h40 r270; Mechanical14 "16" at 4425.69,359.6 h40 r270
J101: TopOverlay "10" at 1225.12,1791.54 h39.37; Mechanical14 "10" at 1225.12,1791.54 h39.37
PCBM2: TopOverlay "14" at 983.09,1462.77 h39.37 r180; TopOverlay "1" at 946.09,160.77 h39.37 r180; TopOverlay "27" at 2504.87,1414.19 h39.37 r90; TopOverlay "28" at 2426.87,1412.19 h39.37 r90; TopOverlay "2" at 2425.87,129.19 h39.37 r90; TopOverlay "1" at 2504.87,135.19 h39.37 r90; Mechanical14 "GND" at 1022.51,358.99 h39.37 r270; Mechanical14 "RX" at 1122.51,358.99 h39.37 r270; Mechanical14 "TX" at 1222.51,358.99 h39.37 r270; Mechanical14 "VCC" at 1322.51,358.99 h39.37 r270; Mechanical14 "J3" at 1478.09,156.77 h39.37 r180; Mechanical14 "J2" at 996.09,805.77 h39.37 r180; Mechanical14 "J1" at 2479.09,820.77 h39.37 r180; Mechanical14 "14" at 983.09,1462.77 h39.37 r180; Mechanical14 "1" at 946.09,160.77 h39.37 r180; Mechanical14 "27" at 2504.87,1414.19 h39.37 r90; Mechanical14 "28" at 2426.87,1412.19 h39.37 r90; Mechanical14 "2" at 2425.87,129.19 h39.37 r90; Mechanical14 "1" at 2504.87,135.19 h39.37 r90